# Altium PCB Copy of PCB1.PcbDoc
Units mil, origin at the board's own origin, x right, y up, seen from the top; angles counter-clockwise.
Board outline 3650 x 1775 mil, 4 copper layers (Top Layer, Layer 1, Layer 2, Bottom Layer), stack 22.378 mil thick; 94 components, 92 nets, 412 pads, 16 vias.
Unrouted connection lines stored in the file: 55.
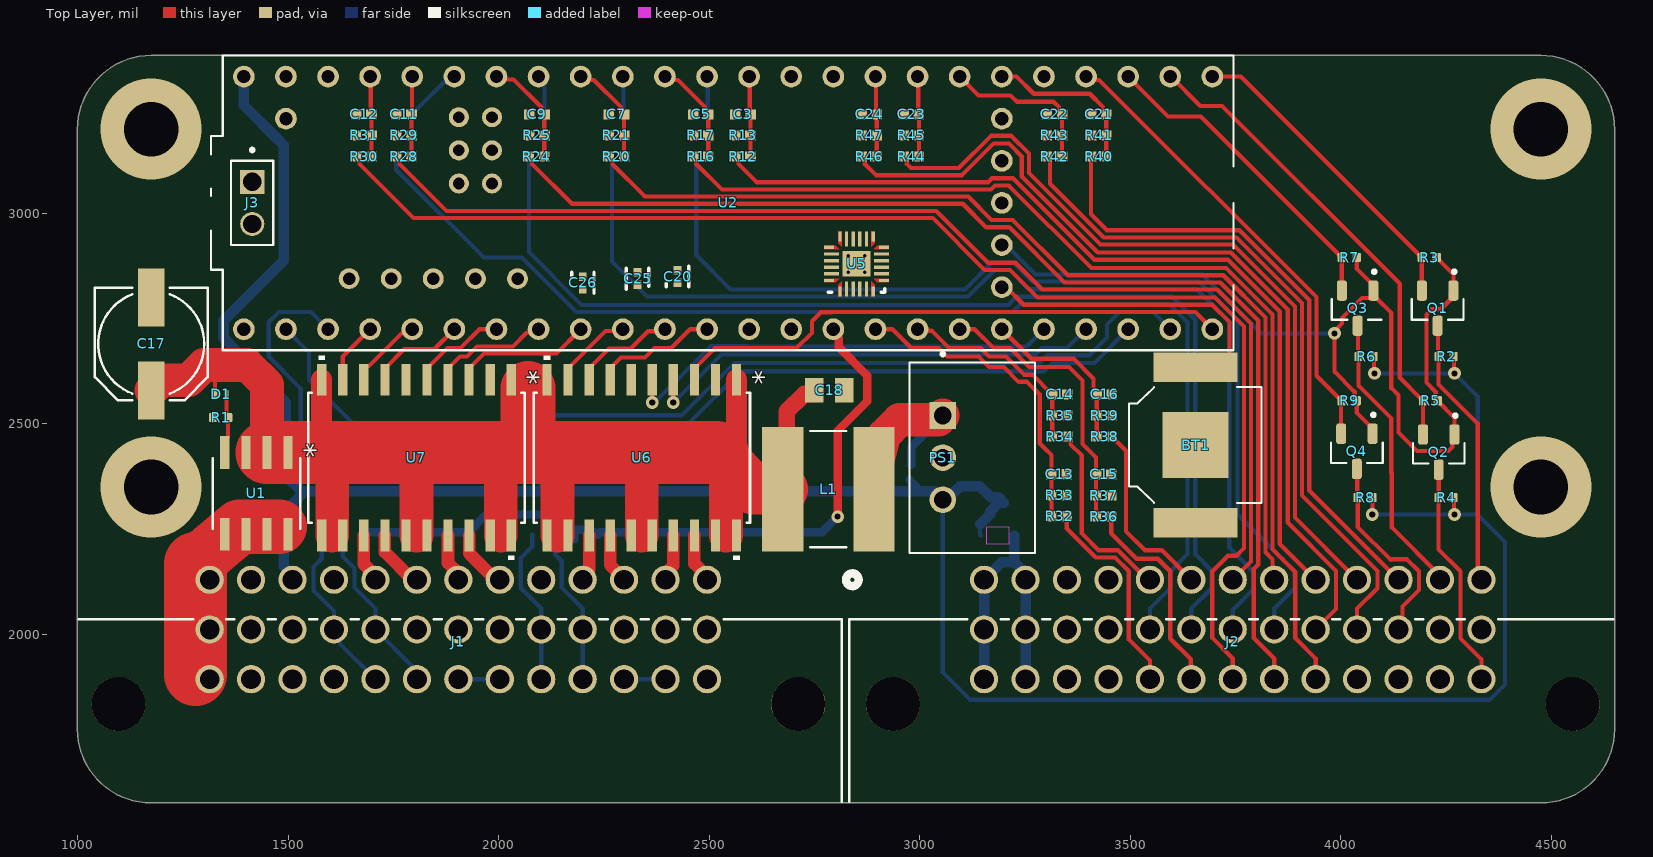
[diagram p0: Top Layer view]
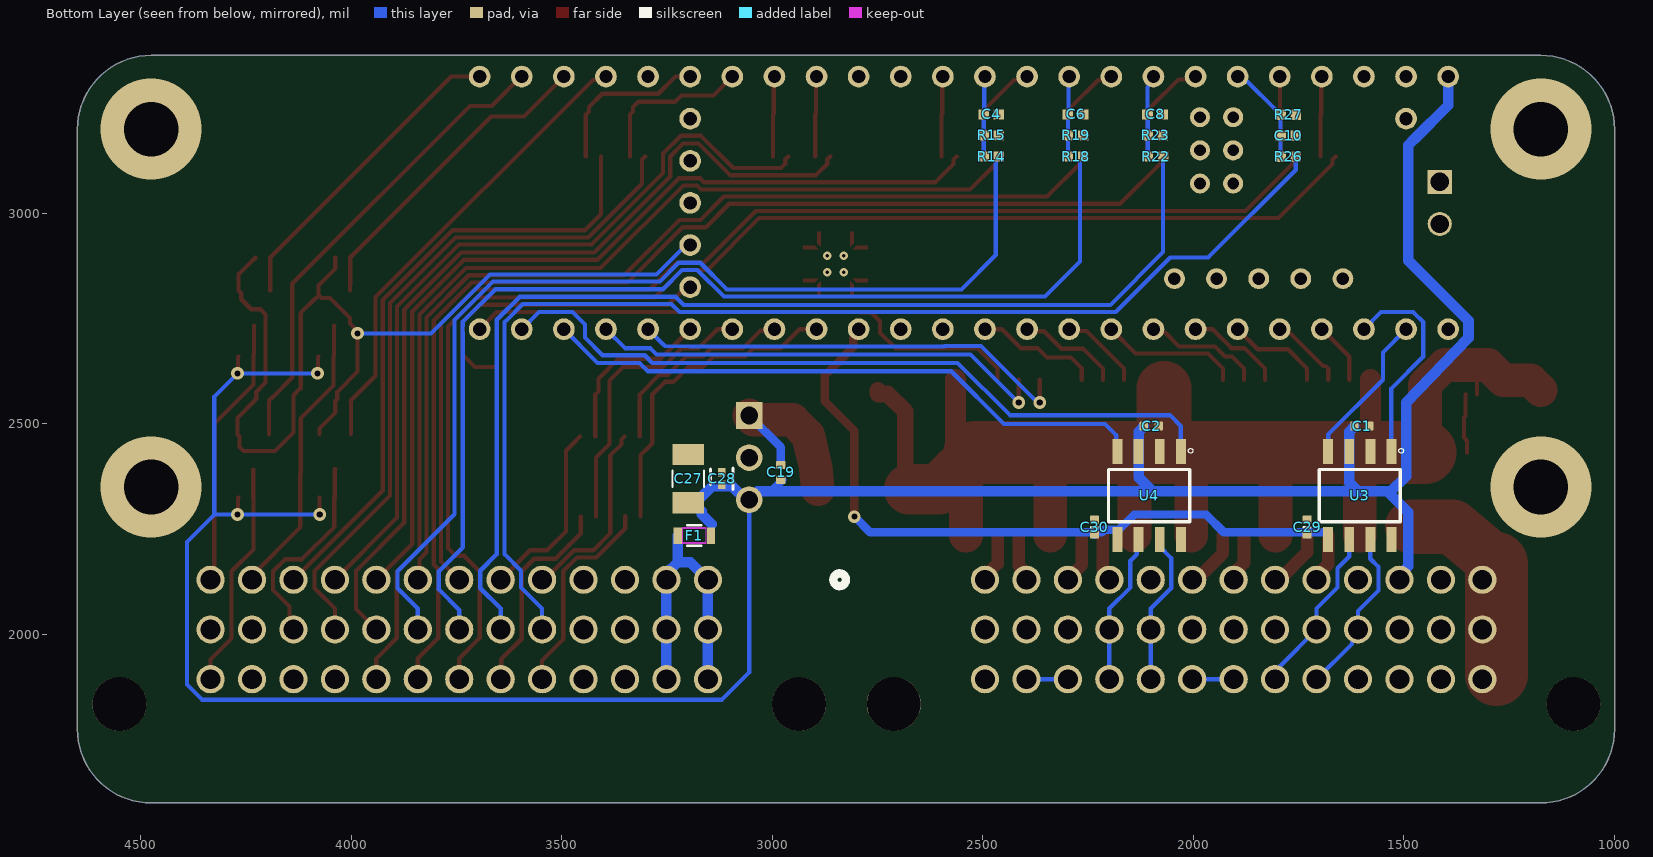
[diagram p1: Bottom Layer view, seen from below]
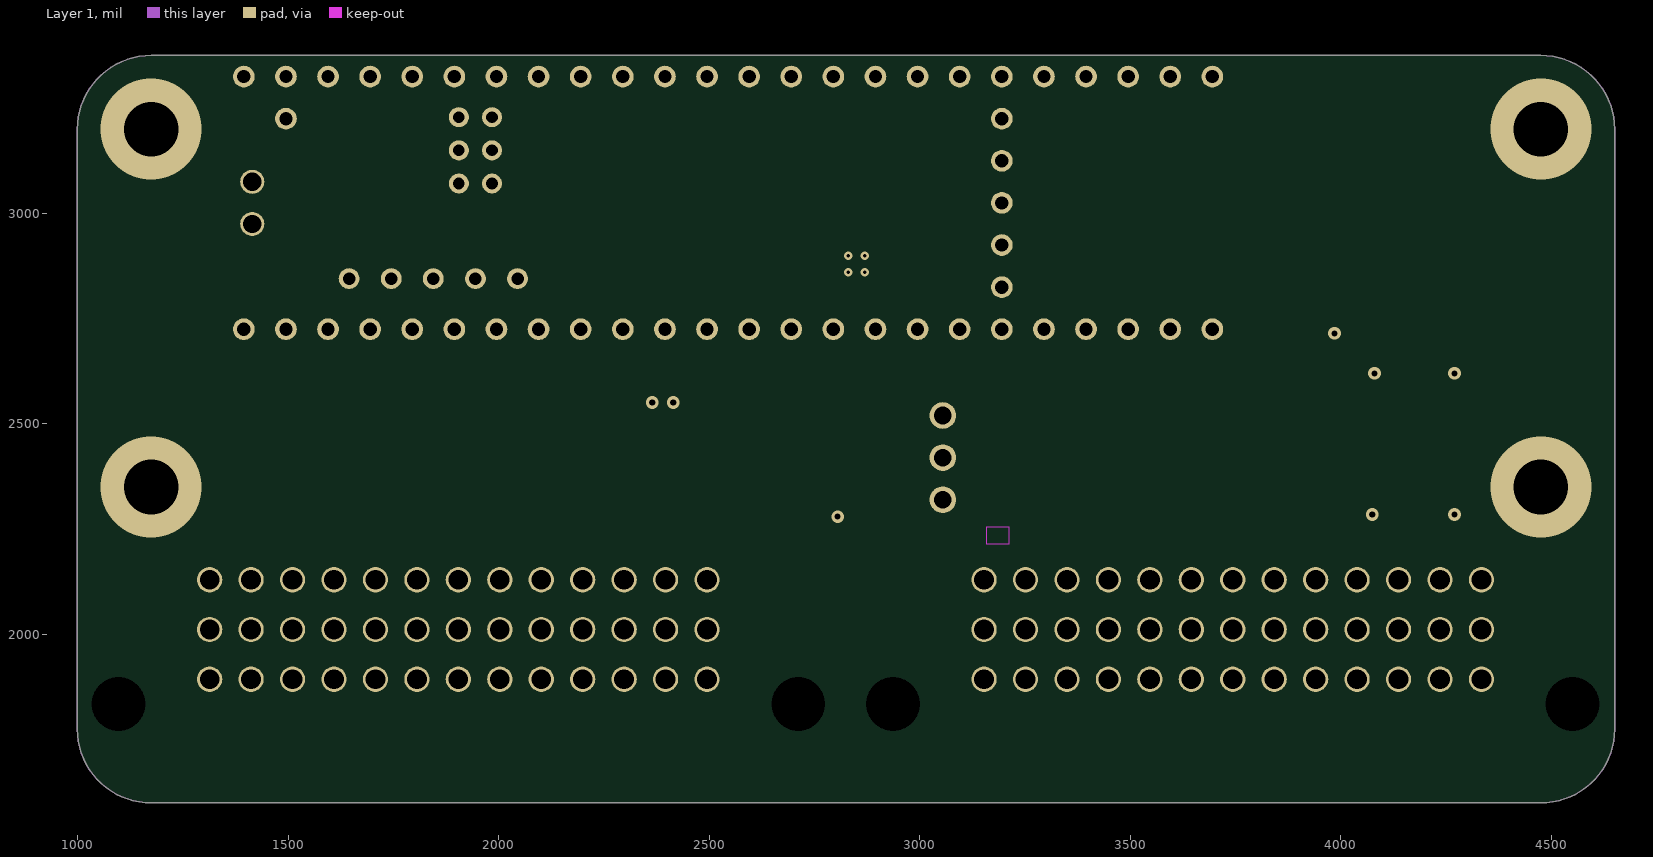
[diagram p2: Layer 1]
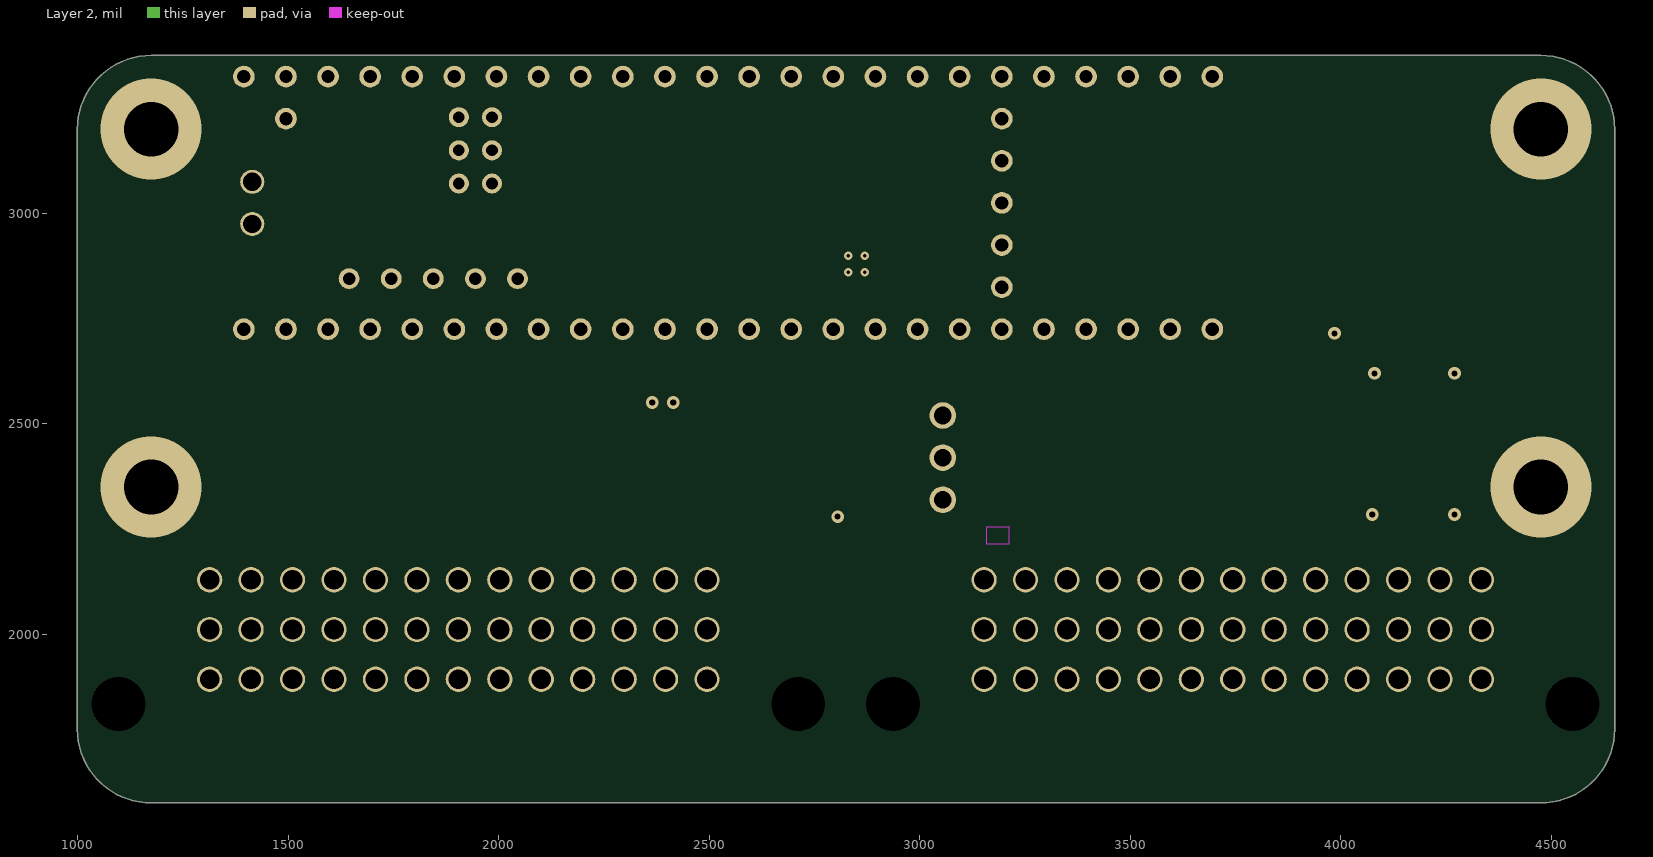
[diagram p3: Layer 2]

## Layer stack, top to bottom
Top Solder: solder mask 0.4, Solder Resist, Dk 3.5
Top Layer: signal copper 1.4
Dielectric 2: prepreg 2.8, PP-006, Dk 4.1
Layer 1: signal copper 0.689
Dielectric 1: dielectric 12.6, FR-4, Dk 4.8
Layer 2: signal copper 0.689
Dielectric 3: prepreg 2.8, PP-006, Dk 4.1
Bottom Layer: signal copper 1.4
Bottom Solder: solder mask 0.4, Solder Resist, Dk 3.5

## Board outline
1000,1775 1000,3200 cw(c1175,3200) 1175,3375 4475,3375 cw(c4475,3200) 4650,3200 4650,1775 cw(c4475,1775) 4475,1600 1175,1600 cw(c1175,1775)

## Design rules (kind name [scope] priority, off if disabled: settings)
Clearance Clearance_1 [All] p1: gap=10 ignorepadtopadclearanceinfootprint=FALSE except(0: Arc-Hole Track-Hole SMDPad-Hole THPad-Hole Via-Hole Fill-Hole Poly-Hole Region-Hole Text-Hole; 7: Arc-Arc Arc-Track Track-Track)
ComponentClearance [All] p1: gap=10 collisioncheckmode=3 verticalgap=10 showdistances=FALSE donotcheckwithout3dbody=TRUE
Height [All] p1: minheight=0 maxheight=2000 prefheight=500
HoleSize [All] p1: absolutevalues=TRUE maxlimit=130 minlimit=1 maxpercent=80.000 minpercent=20.000
PolygonConnect [All] p1: connectstyle=Relief reliefconductorwidth=30 reliefentries=4 polygonreliefangle="90 Angle" airgapwidth=10
RoutingVias [All] p1: holewidth=28 width=50 viastyle="Through Hole" minholewidth=28 minwidth=50 maxholewidth=28 maxwidth=50
SolderMaskExpansion [All] p1: expansion=4 istentingtop=FALSE
Width [All] p1: maxlimit=200 minlimit=7 preferedwidth=10 midlayer1_minwidth=10 midlayer2_minwidth=10 minimp=50.000000 maximp=50.000000 favimp=50.000000
27 further rules are at their usual default settings.

## Classes and differential pairs
component class MCU: BT1 U2
component class Inputs: C17 C18 C19 C27 C28 D1 F1 J1 J2 J3 L1 PS1 R1 U1
component class DigitalandPWR: C1 C2 C20 C25 C26 C29 C30 Q1 Q2 Q3 Q4 R2 R3 R4 R5 R6 R7 R8 R9 U3 U4 U5 U6 U7
component class Analog: C3 C4 C5 C6 C7 C8 C9 C10 C11 C12 C13 C14 C15 C16 C21 C22 C23 C24 R12 R13 R14 R15 R16 R17 R18 R19 R20 R21 R22 R23 R24 R25 R26 R27 R28 R29 R30 R31 R32 R33 R34 R35 R36 R37 R38 R39 R40 R41 R42 R43 R44 R45 R46 R47

## Components (designator, comment, footprint, x,y, rotation, side; value= is the part's Value field where it differs from the comment)
BT1 "2998TR" BAT_2998TR 3655,2449.96 r90 top
C1 "Capacitor 100nF +/-20% 25V 0402" CAPC0402(1005)60_L 1600,2495 r180 bottom value=100nF
C2 "Capacitor 100nF +/-20% 25V 0402" CAPC0402(1005)60_L 2100,2495 r180 bottom value=100nF
C3 "AC0402KRX7R7BB333" CAPC1005X04N 2580,3235 r180 top
C4 "AC0402KRX7R7BB333" CAPC1005X04N 2480,3235 r180 bottom
C5 "AC0402KRX7R7BB333" CAPC1005X04N 2480,3235 r180 top
C6 "AC0402KRX7R7BB333" CAPC1005X04N 2280,3235 r180 bottom
C7 "AC0402KRX7R7BB333" CAPC1005X04N 2280,3235 r180 top
C8 "AC0402KRX7R7BB333" CAPC1005X04N 2090.83,3235 r180 bottom
C9 "AC0402KRX7R7BB333" CAPC1005X04N 2090.83,3235 r180 top
C10 "AC0402KRX7R7BB333" CAPC1005X04N 1775,3184.49 r180 bottom
C11 "AC0402KRX7R7BB333" CAPC1005X04N 1775,3235 r180 top
C12 "AC0402KRX7R7BB333" CAPC1005X04N 1680,3235 r180 top
C13 "AC0402KRX7R7BB333" CAPC1005X04N 3330.83,2380.83 r0 top
C14 "AC0402KRX7R7BB333" CAPC1005X04N 3332.72,2570 r0 top
C15 "AC0402KRX7R7BB333" CAPC1005X04N 3436.69,2380 r0 top
C16 "AC0402KRX7R7BB333" CAPC1005X04N 3438.35,2570 r0 top
C17 "865080545012" 865080445010 1175,2690 r270 top value=100u
C18 "GRM21BR61H106KE43L" CAPC2012X145N 2785,2580 r0 top value=10µF
C19 "Capacitor 1nF +/-20% 50V 0402" CAPC0402(1005)33_L 2980,2385 r270 bottom value=1nF
C20 "100nF (50V 402 )" FP-CL779-IPC_C 2425,2850.1 r90 top
C21 "AC0402KRX7R7BB333" CAPC1005X04N 3425,3235 r180 top
C22 "AC0402KRX7R7BB333" CAPC1005X04N 3320,3235 r180 top
C23 "AC0402KRX7R7BB333" CAPC1005X04N 2980,3235 r180 top
C24 "AC0402KRX7R7BB333" CAPC1005X04N 2880,3235 r180 top
C25 "100nF (50V 402 )" FP-CL779-IPC_C 2330,2845 r90 top
C26 "10nF (50V 402 )" FP-CL165-IPC_C 2200,2835 r90 top
C27 "GRM31CR61A107MEA8L" CAPC3216X190N 3200,2370 r90 bottom value=100µF
C28 "100nF (50V 402 )" FP-CL779-IPC_C 3120,2370 r90 bottom
C29 "Capacitor 100nF +/-20% 25V 0402" CAPC0402(1005)60_L 1730,2255 r90 bottom value=100nF
C30 "Capacitor 100nF +/-20% 25V 0402" CAPC0402(1005)60_L 2235,2255 r90 bottom value=100nF
D1 "BZX884B12L-HG3-08" CR_9V1L-HG3-08_VIS 1340,2570 r0 top
F1 "PTSLR06036V300" FUSE_PTSLR06036V300_EAT 3185,2235 r0 bottom
J1 "MX47039NF1" CONN39_MX47039_JAE 2495,2130 r0 top
J2 "MX47039NF1" CONN39_MX47039_JAE 4333.98,2130 r0 top
J3 "61300211121" WURTH_61300211121 1415,3025 r270 top
L1 "RLS-186" IND_RLS-186 2783.27,2345 r0 top value=18µH
PS1 "R-78K5.0-1.0" CONV_R-78K5.0-1.0 3124.88,2420 r270 top value=5
Q1 "NTR5103NT1G" SOT95P237X111-3N 4230,2775 r270 top
Q2 "NTR5103NT1G" SOT95P237X111-3N 4232.6,2433.27 r270 top
Q3 "NTR5103NT1G" SOT95P237X111-3N 4040,2775 r270 top
Q4 "NTR5103NT1G" SOT95P237X111-3N 4038.11,2435 r270 top
R1 "Resistor 100K +/-1 % 0402 63 mW" RESC0402(1005)_L 1340,2515 r0 top value=100k
R2 "Resistor 100K +/-1 % 0402 63 mW" RESC0402(1005)_L 4250,2660 r0 top value=100k
R3 "Resistor 100K +/-1 % 0402 63 mW" RESC0402(1005)_L 4210,2895 r0 top value=100k
R4 "Resistor 100K +/-1 % 0402 63 mW" RESC0402(1005)_L 4250,2325 r0 top value=100k
R5 "Resistor 100K +/-1 % 0402 63 mW" RESC0402(1005)_L 4212.72,2555 r0 top value=100k
R6 "Resistor 100K +/-1 % 0402 63 mW" RESC0402(1005)_L 4060,2660 r0 top value=100k
R7 "Resistor 100K +/-1 % 0402 63 mW" RESC0402(1005)_L 4020,2895 r0 top value=100k
R8 "Resistor 100K +/-1 % 0402 63 mW" RESC0402(1005)_L 4057.72,2325 r0 top value=100k
R9 "Resistor 100K +/-1 % 0402 63 mW" RESC0402(1005)_L 4020,2555 r0 top value=100k
R12 "0402WGD2002TCE" CAPC1005X04N 2580,3135 r0 top
R13 "SY0402DE30KP" CAPC1005X04N 2580,3185 r180 top
R14 "0402WGD2002TCE" CAPC1005X04N 2480,3135 r0 bottom
R15 "SY0402DE30KP" CAPC1005X04N 2480,3185 r180 bottom
R16 "0402WGD2002TCE" CAPC1005X04N 2480,3135 r0 top
R17 "SY0402DE30KP" CAPC1005X04N 2480,3185 r180 top
R18 "0402WGD2002TCE" CAPC1005X04N 2280,3135 r0 bottom
R19 "SY0402DE30KP" CAPC1005X04N 2280,3185 r180 bottom
R20 "0402WGD2002TCE" CAPC1005X04N 2280,3135 r0 top
R21 "SY0402DE30KP" CAPC1005X04N 2280,3185 r180 top
R22 "0402WGD2002TCE" CAPC1005X04N 2090,3135 r0 bottom
R23 "SY0402DE30KP" CAPC1005X04N 2090.83,3185 r180 bottom
R24 "0402WGD2002TCE" CAPC1005X04N 2090,3135 r0 top
R25 "SY0402DE30KP" CAPC1005X04N 2090.83,3185 r180 top
R26 "0402WGD2002TCE" CAPC1005X04N 1775,3134.49 r0 bottom
R27 "SY0402DE30KP" CAPC1005X04N 1775,3234.49 r180 bottom
R28 "0402WGD2002TCE" CAPC1005X04N 1775,3135 r0 top
R29 "SY0402DE30KP" CAPC1005X04N 1775,3185 r180 top
R30 "0402WGD2002TCE" CAPC1005X04N 1680,3135 r0 top
R31 "SY0402DE30KP" CAPC1005X04N 1680,3185 r180 top
R32 "0402WGD2002TCE" CAPC1005X04N 3330.83,2280.83 r180 top
R33 "SY0402DE30KP" CAPC1005X04N 3330.83,2330.83 r0 top
R34 "0402WGD2002TCE" CAPC1005X04N 3332.72,2470 r180 top
R35 "SY0402DE30KP" CAPC1005X04N 3332.72,2520 r0 top
R36 "0402WGD2002TCE" CAPC1005X04N 3436.69,2280 r180 top
R37 "SY0402DE30KP" CAPC1005X04N 3436.69,2330 r0 top
R38 "0402WGD2002TCE" CAPC1005X04N 3438.35,2470 r180 top
R39 "SY0402DE30KP" CAPC1005X04N 3438.35,2520 r0 top
R40 "0402WGD2002TCE" CAPC1005X04N 3425,3135 r0 top
R41 "SY0402DE30KP" CAPC1005X04N 3425,3185 r180 top
R42 "0402WGD2002TCE" CAPC1005X04N 3320,3135 r0 top
R43 "SY0402DE30KP" CAPC1005X04N 3320,3185 r180 top
R44 "0402WGD2002TCE" CAPC1005X04N 2980,3135 r0 top
R45 "SY0402DE30KP" CAPC1005X04N 2980,3185 r180 top
R46 "0402WGD2002TCE" CAPC1005X04N 2880,3135 r0 top
R47 "SY0402DE30KP" CAPC1005X04N 2880,3185 r180 top
U1 "AO4425" SO-8_AOS 1425,2335 r270 top
U2 "DEV-16771" MODULE_DEV-16771 2545,3024.92 r0 top locked
U3 "MCP2562T-E/SN" SOIC127P600X175-8N 1605,2330 r270 bottom
U4 "MCP2562T-E/SN" SOIC127P600X175-8N 2105,2330 r270 bottom
U5 "MPU-6500" INSE-MPU-6500-QFN24_M 2850,2880 r0 top
U6 "BTS724G" SOIC-20_INF 2340,2420 r270 top
U7 "BTS724G" SOIC-20_INF 1805,2420 r270 top

## Footprints (in the part's own frame and the unit in brackets; to place one, negate y for a bottom-side part, rotate by r counter-clockwise, add the part's x,y. Pads: shape width x height; smd on the part's side, far side on the other; paste and mask are expansions set on the pad)
865080445010 [mm]
  rect 3.5x1.6 smd: NEG(-2.8,0) POS(2.8,0)
  silkscreen extent -3.4,-3.4 3.4,3.4
BAT_2998TR [mm]
  rect 3.96x3.96 smd paste-3: N(0,0)
  rect 1.78x5.08 smd: P1(-4.7,0) P2(4.7,0)
  silkscreen extent -3.49,-3.98 3.49,4.02
CAPC0402(1005)33_L [mm] "Chip Capacitor, Body 1.0x0.5mm, Height 0.33mm, IPC High Density"
  rrect25% 0.5x0.55 smd: 1(-0.45,0) 2(0.45,0)
  body extent -0.5,-0.25 0.5,0.25, height 0.55
CAPC0402(1005)60_L [mm] "Chip Capacitor, Body 1.0x0.5mm, Height 0.6mm, IPC High Density"
  rrect25% 0.5x0.55 smd: 1(-0.45,0) 2(0.45,0)
  body extent -0.5,-0.25 0.5,0.25, height 0.6
CAPC1005X04N [mm] "Chip Capacitor, 2-Leads, Body 1.00x0.50mm, IPC Medium Density"
  rect 0.64x0.62 smd: 1(-0.46,0) 2(0.46,0)
  body extent -0.55,-0.28 0.55,0.27, height 0.4
CAPC2012X145N [mm]
  rect 1.11x1.47 smd: 1(-0.9,0) 2(0.9,0)
CAPC3216X190N [mm]
  rect 1.29x1.91 smd: 1(-1.46,0) 2(1.46,0)
  silkscreen extent -0.49,-0.95 0.49,0.95
CONN39_MX47039_JAE [mil]
  round 67 / inner round 60 / far side round 67 hole 47 paste-33.5 mask-33.5: 1(0,0) 2(-98.43,0) 3(-196.85,0) 4(-295.28,0) 5(-393.7,0) 6(-492.13,0) 7(-590.55,0) 8(-688.98,0) 9(-787.4,0) 10(-885.83,0) 11(-984.25,0) 12(-1082.68,0) 13(-1181.1,0) 14(0,-118.11) 15(-98.43,-118.11) 16(-196.85,-118.11) 17(-295.28,-118.11) 18(-393.7,-118.11) 19(-492.13,-118.11) 20(-590.55,-118.11) 21(-688.98,-118.11) 22(-787.4,-118.11) 23(-885.83,-118.11) 24(-984.25,-118.11) 25(-1082.68,-118.11) 26(-1181.1,-118.11) 27(0,-236.22) 28(-98.43,-236.22) 29(-196.85,-236.22) 30(-295.28,-236.22) 31(-393.7,-236.22) 32(-492.13,-236.22) 33(-590.55,-236.22) 34(-688.98,-236.22) 35(-787.4,-236.22) 36(-885.83,-236.22) 37(-984.25,-236.22) 38(-1082.68,-236.22) 39(-1181.1,-236.22)
  round 128 / inner round 60 / far side round 128 hole 128 unplated paste-64 mask-64: 40(-1397.64,-295.28) 41(216.54,-295.28)
  silkscreen extent -1492,-527 360,15, body extent -1495,-1646 316,10, height 760
CONV_R-78K5.0-1.0 [mm]
  rect 1.605x1.605 / inner round 1.605 / far side rect 1.605x1.605 hole 1.07: 1(-2.54,-1.775)
  round 1.605 hole 1.07: 2(0,-1.775) 3(2.54,-1.775)
  silkscreen extent -6.35,-3.77 5.75,3.77, body extent -5.75,-3.77 5.75,3.77, height 10.2
CR_9V1L-HG3-08_VIS [mil]
  rect 11x22 smd paste+0 mask-1: 1(-13.5,0) 2(13.5,0)
  body extent -21,-13 21,13, height 20
FP-CL165-IPC_C [mil]
  rect 20.29x18.6 smd paste+0 mask+0: 1(-14.9,0) 2(14.9,0)
  silkscreen extent -25,-27 25,27, body extent -29,-15 29,15, height 10
FP-CL779-IPC_C [mil]
  rect 20.29x18.6 smd paste+0 mask+0: 1(-14.9,0) 2(14.9,0)
  silkscreen extent -25,-27 25,27, body extent -29,-15 29,15, height 10
FUSE_PTSLR06036V300_EAT [mil]
  rect 20x39 smd paste+0 mask+0: 1(-39.5,0) 2(39.5,0)
  Top Layer keep-out region: -27.5,-17.5 -27.5,17.5 27.5,17.5 27.5,-17.5
  Keep-Out Layer region: -27.5,-19.5 -27.5,19.5 27.5,19.5 27.5,-19.5
  silkscreen extent -16,-24 16,24, body extent -36,-19 36,19, height 43
IND_RLS-186 [mm]
  rect 2.5x7.5 smd: 1(-2.75,0) 2(2.75,0)
  silkscreen extent -1.1,-3.5 1.1,3.5
INSE-MPU-6500-QFN24_M [mm] "QFN, 24-Leads, Body 3.1x3.1mm, Pitch 0.4mm, Thermal Pad 1.7X1.54mm, IPC Low Density"
  rect 0.6x0.2 smd: 1(-1.65,1) 6(-1.65,-1) 13(1.65,-1) 18(1.65,1)
  rect 0.9x0.2 smd: 2(-1.5,0.6) 3(-1.5,0.2) 4(-1.5,-0.2) 5(-1.5,-0.6) 14(1.5,-0.6) 15(1.5,-0.2) 16(1.5,0.2) 17(1.5,0.6)
  rect 0.2x0.6 smd: 7(-1,-1.65) 12(1,-1.65) 19(1,1.65) 24(-1,1.65)
  rect 0.2x0.9 smd: 8(-0.6,-1.5) 9(-0.2,-1.5) 10(0.2,-1.5) 11(0.6,-1.5) 20(0.6,1.5) 21(0.2,1.5) 22(-0.2,1.5) 23(-0.6,1.5)
  rect 1.7x1.54 smd: 25(0,0)
  Top Layer region: -1.95,1.1 -1.95,0.9 -1.05,0.9 -1.25,1.1 -1.95,1.1
  Top Layer region: -1.1,-1.95 -0.9,-1.95 -0.9,-1.05 -1.1,-1.25 -1.1,-1.95
  Top Layer region: 1.95,-1.1 1.95,-0.9 1.05,-0.9 1.25,-1.1 1.95,-1.1
  Top Layer region: 1.1,1.95 0.9,1.95 0.9,1.05 1.1,1.25 1.1,1.95
  Top Layer region: -1.1,1.95 -0.9,1.95 -0.9,1.05 -1.1,1.25 -1.1,1.95
  Top Layer region: -1.95,-1.1 -1.95,-0.9 -1.05,-0.9 -1.25,-1.1 -1.95,-1.1
  Top Layer region: 1.1,-1.95 0.9,-1.95 0.9,-1.05 1.1,-1.25 1.1,-1.95
  Top Layer region: 1.95,1.1 1.95,0.9 1.05,0.9 1.25,1.1 1.95,1.1
  silkscreen extent -1.7,-1.7 1.7,-1.5, body extent -1.55,-1.55 1.55,1.55, height 0.95
MODULE_DEV-16771 [mm]
  round 1.308 hole 0.8: 0(-26.67,-7.62) 1(-24.13,-7.62) 2(-21.59,-7.62) 3(-19.05,-7.62) 3.3V_1(6.35,-7.62) 3.3V_2(-24.13,7.62) 3.3V_3(16.51,-2.54) 4(-16.51,-7.62) 5(-13.97,-7.62) 6(-11.43,-7.62) 7(-8.89,-7.62) 8(-6.35,-7.62) 9(-3.81,-7.62) 10(-1.27,-7.62) 11(1.27,-7.62) 12(3.81,-7.62) 13(3.81,7.62) 14(1.27,7.62) 15(-1.27,7.62) 16(-3.81,7.62) 17(-6.35,7.62) 18(-8.89,7.62) 19(-11.43,7.62) 20(-13.97,7.62) 21(-16.51,7.62) 22(-19.05,7.62) 23(-21.59,7.62) 24(8.89,-7.62) 25(11.43,-7.62) 26(13.97,-7.62) 27(16.51,-7.62) 28(19.05,-7.62) 29(21.59,-7.62) 30(24.13,-7.62) 31(26.67,-7.62) 32(29.21,-7.62) 33(29.21,7.62) 34(26.67,7.62) 35(24.13,7.62) 36(21.59,7.62) 37(19.05,7.62) 38(16.51,7.62) 39(13.97,7.62) 40(11.43,7.62) 41(8.89,7.62) GND1(-29.21,-7.62) GND2(6.35,7.62) GND3(-26.67,7.62) GND4(16.51,0) ON/OFF(16.51,5.08) PROGRAM(16.51,2.54) VBAT(16.51,-5.08) VIN(-29.21,7.62) VUSB(-26.67,5.08)